# KiCad board SUPAAAA_KEYBOARD.kicad_pcb (continued)
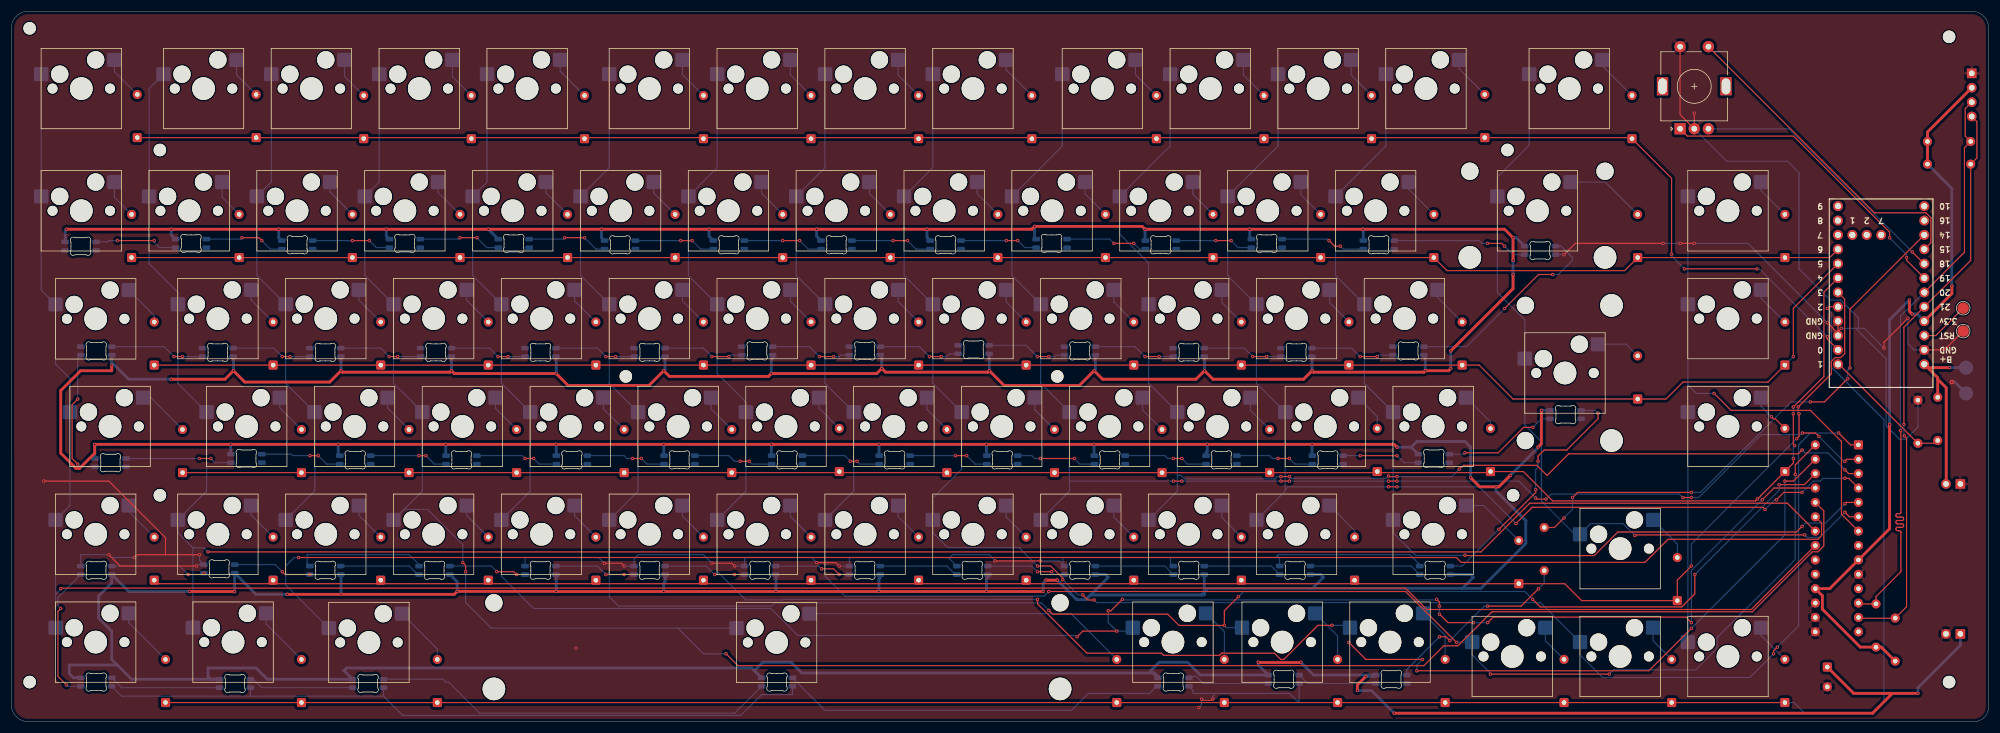
[diagram p0: board, top side]
## Footprints (pads in the part's own frame, mm; a bottom-side part is the same pattern mirrored in y, then rotated) (continued)
  rect 2x2 hole 1: A(0,0)
  round 2 hole 1: B(0,-5) C(0,-2.5) S1(14.5,-5) S2(14.5,0)
  rect 3.2x2 hole 2.8x1.5: MP(7.5,3.1) MP(7.5,-8.1)
Stabilizer_MX_2.00u
  round 3.048 hole 3.048 unplated: (-11.938,6.985) (11.938,6.985)
  round 3.988 hole 3.988 unplated: (-11.938,-8.225) (11.938,-8.225)
Stabilizer_MX_6.25u
  round 3.048 hole 3.048 unplated: (-50,6.985) (50,6.985)
  round 3.988 hole 3.988 unplated: (-50,-8.225) (50,-8.225)
TestPoint_Pad_D2.0mm
  round 2 smd: 1(0,0)
TestPoint_Pad_D2.5mm
  round 2.5 smd: 1(0,0)

## Nets
+3V3: J1.2 R2.1 R3.1 R6.1 R7.1 U2.21 U3.9 U3.18
+5V: C2.1 J3.1 LD1.3 LD2.3 LD3.3 LD4.3 LD5.3 LD6.3 LD7.3 LD8.3 LD9.3 LD10.3 LD11.3 LD12.3 LD13.3 LD14.3 LD15.3 LD16.3 LD17.3 LD18.3 LD19.3 LD20.3 LD21.3 LD22.3 LD23.3 LD24.3 LD25.3 LD26.3 LD27.3 LD28.3 LD29.3 LD30.3 LD31.3 LD32.3 LD33.3 LD34.3 LD35.3 LD36.3 LD37.3 LD38.3 LD39.3 LD40.3 LD41.3 LD42.3 LD43.3 LD44.3 LD45.3 LD46.3 LD47.3 LD48.3 LD49.3 LD50.3 LD51.3 LD52.3 LD53.3 LD54.3 LD55.3 LD56.3 LD57.3 LD58.3 LD59.3 LD60.3 LD61.3
/VBAT: J2.2 R4.1 TP1.1 U2.24
GND: C2.2 J1.1 J2.1 J3.2 LD1.1 LD2.1 LD3.1 LD4.1 LD5.1 LD6.1 LD7.1 LD8.1 LD9.1 LD10.1 LD11.1 LD12.1 LD13.1 LD14.1 LD15.1 LD16.1 LD17.1 LD18.1 LD19.1 LD20.1 LD21.1 LD22.1 LD23.1 LD24.1 LD25.1 LD26.1 LD27.1 LD28.1 LD29.1 LD30.1 LD31.1 LD32.1 LD33.1 LD34.1 LD35.1 LD36.1 LD37.1 LD38.1 LD39.1 LD40.1 LD41.1 LD42.1 LD43.1 LD44.1 LD45.1 LD46.1 LD47.1 LD48.1 LD49.1 LD50.1 LD51.1 LD52.1 LD53.1 LD54.1 LD55.1 LD56.1 LD57.1 LD58.1 LD59.1 LD60.1 LD61.1 R5.2 SW85.C SW85.S2 TP2.1 TP4.1 U2.3 U2.4 U2.23 U3.10 U3.15 U3.16 U3.17
/BT_PIN: R4.2 R5.1 U2.1
/COL0: SW1.1 SW15.1 SW30.1 SW45.1 SW59.1 SW74.1 U3.21
/COL1: SW2.1 SW16.1 SW31.1 SW46.1 SW60.1 SW75.1 U3.22
/COL2: SW3.1 SW17.1 SW32.1 SW47.1 SW61.1 SW76.1 U3.23
/COL3: SW4.1 SW18.1 SW33.1 SW48.1 SW62.1 SW77.1 U3.24
/COL4: SW5.1 SW19.1 SW34.1 SW49.1 SW63.1 SW78.1 U3.25
/COL5: SW6.1 SW20.1 SW35.1 SW50.1 SW64.1 SW79.1 U3.26
/COL6: SW7.1 SW21.1 SW36.1 SW51.1 SW65.1 SW80.1 U3.27
/COL7: SW8.1 SW22.1 SW37.1 SW52.1 SW66.1 SW81.1 U3.28
/COL8: SW9.1 SW23.1 SW38.1 SW53.1 SW67.1 SW82.1 U3.1
/COL9: SW10.1 SW24.1 SW39.1 SW54.1 SW68.1 U3.2
/COL10: SW11.1 SW25.1 SW40.1 SW55.1 SW69.1 U3.3
/COL11: SW12.1 SW26.1 SW41.1 SW56.1 SW70.1 U3.4
/COL12: SW13.1 SW27.1 SW42.1 SW57.1 SW71.1 U3.5
/COL13: SW14.1 SW28.1 SW43.1 SW72.1 U3.6
/COL14: SW29.1 SW44.1 SW58.1 SW73.1 U3.7
/En_A: SW85.A U2.18
/En_B: SW85.B U2.17
/RGB_IN: R1.1 U2.15
/ROW0: D1.1 D2.1 D3.1 D4.1 D5.1 D6.1 D7.1 D8.1 D9.1 D10.1 D11.1 D12.1 D13.1 D14.1 U2.2
/ROW1: D15.1 D16.1 D17.1 D18.1 D19.1 D20.1 D21.1 D22.1 D23.1 D24.1 D25.1 D26.1 D27.1 D28.1 D29.1 U2.9
/ROW2: D30.1 D31.1 D32.1 D33.1 D34.1 D35.1 D36.1 D37.1 D38.1 D39.1 D40.1 D41.1 D42.1 D43.1 D44.1 U2.8
/ROW3: D45.1 D46.1 D47.1 D48.1 D49.1 D50.1 D51.1 D52.1 D53.1 D54.1 D55.1 D56.1 D57.1 D58.1 U2.7
/ROW4: D59.1 D60.1 D61.1 D62.1 D63.1 D64.1 D65.1 D66.1 D67.1 D68.1 D69.1 D70.1 D71.1 D72.1 U2.6
/ROW5: D73.1 D74.1 D75.1 D76.1 D77.1 D78.1 D79.1 D80.1 D81.1 D82.1 U2.5
/RST: TP3.1 U2.22
/SCL: J1.3 R3.2 R7.2 U2.19 U3.12
/SDA: J1.4 R2.2 R6.2 U2.20 U3.13
/SW: SW85.S1 U2.16
Net-(D1-A): D1.2 SW1.2
Net-(D2-A): D2.2 SW2.2
Net-(D3-A): D3.2 SW3.2
Net-(D4-A): D4.2 SW4.2
Net-(D5-A): D5.2 SW5.2
Net-(D6-A): D6.2 SW6.2
Net-(D7-A): D7.2 SW7.2
Net-(D8-A): D8.2 SW8.2
Net-(D9-A): D9.2 SW9.2
Net-(D10-A): D10.2 SW10.2
Net-(D11-A): D11.2 SW11.2
Net-(D12-A): D12.2 SW12.2
Net-(D13-A): D13.2 SW13.2
Net-(D14-A): D14.2 SW14.2
Net-(D15-A): D15.2 SW15.2
Net-(D16-A): D16.2 SW16.2
Net-(D17-A): D17.2 SW17.2
Net-(D18-A): D18.2 SW18.2
Net-(D19-A): D19.2 SW19.2
Net-(D20-A): D20.2 SW20.2
Net-(D21-A): D21.2 SW21.2
Net-(D22-A): D22.2 SW22.2
Net-(D23-A): D23.2 SW23.2
Net-(D24-A): D24.2 SW24.2
Net-(D25-A): D25.2 SW25.2
Net-(D26-A): D26.2 SW26.2
Net-(D27-A): D27.2 SW27.2
Net-(D28-A): D28.2 SW28.2
Net-(D29-A): D29.2 SW29.2
Net-(D30-A): D30.2 SW30.2
Net-(D31-A): D31.2 SW31.2
Net-(D32-A): D32.2 SW32.2
Net-(D33-A): D33.2 SW33.2
Net-(D34-A): D34.2 SW34.2
Net-(D35-A): D35.2 SW35.2
Net-(D36-A): D36.2 SW36.2
Net-(D37-A): D37.2 SW37.2
Net-(D38-A): D38.2 SW38.2
Net-(D39-A): D39.2 SW39.2
Net-(D40-A): D40.2 SW40.2
Net-(D41-A): D41.2 SW41.2
Net-(D42-A): D42.2 SW42.2
Net-(D43-A): D43.2 SW43.2
Net-(D44-A): D44.2 SW44.2
Net-(D45-A): D45.2 SW45.2
Net-(D46-A): D46.2 SW46.2
Net-(D47-A): D47.2 SW47.2
Net-(D48-A): D48.2 SW48.2
Net-(D49-A): D49.2 SW49.2
Net-(D50-A): D50.2 SW50.2
Net-(D51-A): D51.2 SW51.2
Net-(D52-A): D52.2 SW52.2
Net-(D53-A): D53.2 SW53.2
Net-(D54-A): D54.2 SW54.2
Net-(D55-A): D55.2 SW55.2
Net-(D56-A): D56.2 SW56.2
Net-(D57-A): D57.2 SW57.2
Net-(D58-A): D58.2 SW58.2
Net-(D59-A): D59.2 SW59.2
Net-(D60-A): D60.2 SW60.2
Net-(D61-A): D61.2 SW61.2
Net-(D62-A): D62.2 SW62.2
Net-(D63-A): D63.2 SW63.2
Net-(D64-A): D64.2 SW64.2
Net-(D65-A): D65.2 SW65.2
Net-(D66-A): D66.2 SW66.2
Net-(D67-A): D67.2 SW67.2
Net-(D68-A): D68.2 SW68.2
Net-(D69-A): D69.2 SW69.2
Net-(D70-A): D70.2 SW70.2
Net-(D71-A): D71.2 SW71.2
Net-(D72-A): D72.2 SW72.2
Net-(D73-A): D73.2 SW73.2
Net-(D74-A): D74.2 SW74.2
Net-(D75-A): D75.2 SW75.2
Net-(D76-A): D76.2 SW76.2
Net-(D77-A): D77.2 SW77.2
Net-(D78-A): D78.2 SW78.2
Net-(D79-A): D79.2 SW79.2
Net-(D80-A): D80.2 SW80.2
Net-(D81-A): D81.2 SW81.2
Net-(D82-A): D82.2 SW82.2
Net-(LD1-DIN): LD1.2 R1.2
Net-(LD1-DOUT): LD1.4 LD2.2
Net-(LD2-DOUT): LD2.4 LD3.2
Net-(LD3-DOUT): LD3.4 LD4.2
Net-(LD4-DOUT): LD4.4 LD5.2
Net-(LD5-DOUT): LD5.4 LD6.2
Net-(LD6-DOUT): LD6.4 LD7.2
Net-(LD7-DOUT): LD7.4 LD8.2
Net-(LD8-DOUT): LD8.4 LD9.2
Net-(LD10-DIN): LD9.4 LD10.2
Net-(LD10-DOUT): LD10.4 LD11.2
Net-(LD11-DOUT): LD11.4 LD12.2
Net-(LD12-DOUT): LD12.4 LD13.2
Net-(LD13-DOUT): LD13.4 LD14.2
Net-(LD14-DOUT): LD14.4 LD15.2
Net-(LD15-DOUT): LD15.4 LD16.2
Net-(LD16-DOUT): LD16.4 LD17.2
Net-(LD17-DOUT): LD17.4 LD18.2
Net-(LD18-DOUT): LD18.4 LD19.2
Net-(LD19-DOUT): LD19.4 LD20.2
Net-(LD20-DOUT): LD20.4 LD21.2
Net-(LD21-DOUT): LD21.4 LD22.2
Net-(LD22-DOUT): LD22.4 LD23.2
Net-(LD23-DOUT): LD23.4 LD24.2
Net-(LD24-DOUT): LD24.4 LD25.2
Net-(LD25-DOUT): LD25.4 LD26.2
Net-(LD26-DOUT): LD26.4 LD27.2
Net-(LD27-DOUT): LD27.4 LD28.2
Net-(LD28-DOUT): LD28.4 LD29.2
Net-(LD29-DOUT): LD29.4 LD30.2
Net-(LD30-DOUT): LD30.4 LD31.2
Net-(LD31-DOUT): LD31.4 LD32.2
Net-(LD32-DOUT): LD32.4 LD33.2
Net-(LD33-DOUT): LD33.4 LD34.2
Net-(LD34-DOUT): LD34.4 LD35.2
Net-(LD35-DOUT): LD35.4 LD36.2
Net-(LD36-DOUT): LD36.4 LD37.2
Net-(LD37-DOUT): LD37.4 LD38.2
Net-(LD38-DOUT): LD38.4 LD39.2
Net-(LD39-DOUT): LD39.4 LD40.2
Net-(LD40-DOUT): LD40.4 LD41.2
Net-(LD41-DOUT): LD41.4 LD42.2
Net-(LD42-DOUT): LD42.4 LD43.2
Net-(LD43-DOUT): LD43.4 LD44.2
Net-(LD44-DOUT): LD44.4 LD45.2
Net-(LD45-DOUT): LD45.4 LD46.2
Net-(LD46-DOUT): LD46.4 LD47.2
Net-(LD47-DOUT): LD47.4 LD48.2
Net-(LD48-DOUT): LD48.4 LD49.2
Net-(LD49-DOUT): LD49.4 LD50.2
Net-(LD50-DOUT): LD50.4 LD51.2
Net-(LD51-DOUT): LD51.4 LD52.2
Net-(LD52-DOUT): LD52.4 LD53.2
Net-(LD53-DOUT): LD53.4 LD54.2
Net-(LD54-DOUT): LD54.4 LD55.2
Net-(LD55-DOUT): LD55.4 LD56.2
Net-(LD56-DOUT): LD56.4 LD57.2
Net-(LD57-DOUT): LD57.4 LD58.2
Net-(LD58-DOUT): LD58.4 LD59.2
Net-(LD59-DOUT): LD59.4 LD60.2
Net-(LD60-DOUT): LD60.4 LD61.2

Pads without a net: LD61 4; SW85 MP; U2 10 11 12 13 14 25 26 27; U3 8 11 14 19 20

## Via types
v1: diameter 0.6, hole 0.3, Top to Bottom, 308 vias
v2: diameter 0.8, hole 0.3, Top to Bottom, 1 via

## Routing (per net, layer and track width the routed paths; a pad name or vN(x,y) marks a point on that pad's centre or on a via; arc(x,y) is an arc through that point)
+3V3: length 133.8
  Top w0.5: R6.1 330.24,13.18 R7.1 326.55,13.18 319.86,19.87 319.86,22.25 U3.18 321.15,23.5 U3.9 331.73,34.08 v1(331.73,52.5) ; J1.2 338.43,104.19 R3.1 R2.1 ; v1(342.73,77) 342.73,75.63 U2.21 ; v1(335.72,72.01) 335.23,72.5 v1(335.23,74.5)
  Bottom w0.5: v1(331.73,52.5) 331.73,71 v1(335.23,74.5) ; v1(335.72,72.01) 336.61,72.01 U2.21 ; v1(342.73,77) 342.73,94.2 R2.1
+5V: length 1668.7
  Top w0.5: v1(31.47,23) 39.4,23 v1(39.44,22.96) ; v1(182.73,25) 184.73,25 v1(184.73,25) ; v1(220.23,10.5) 220.28,10.45 227.68,10.45 v1(227.73,10.5) ; 134.73,49 v1(115.23,49) v1(96.23,49) v1(76.73,49) v1(57.73,49) v1(38.73,49) v1(14.73,49) 14.73,47.44 12.04,44.75 11.42,44.75 8.73,47.44 8.73,58.5 12.23,62 17.73,62 v1(17.73,63) ; 134.73,49 v1(134.23,49) ; 134.73,49 v1(153.23,49) v1(172.23,49) v1(191.23,49) v1(211.23,49) v1(229.73,49) 244.23,49 v1(244.73,48.5) ; v1(48.73,22.5) v1(58.23,22.5) 78.23,22.5 v1(78.73,23) 78.76,23.02 96.21,23.02 v1(96.23,23) v1(115.23,23) v1(135.05,23) v1(153.23,23) v1(172.23,23) v1(182.23,23) ; v1(265.23,79) 265.23,76.5 v1(254.23,65.5) ; v1(237.73,5.5) 237.73,6.5 v1(239.23,8) ; C2.1 325.38,5 332.23,5 ; v1(244.23,1.5) 328.73,1.5 332.23,5 ; v1(265.23,81.5) v1(265.23,85.5) 263.73,87 v1(238.73,87) v1(218.73,87) v1(200.23,87) 199.73,87.5 v1(180.73,87.5) 180.23,87 v1(161.73,87) v1(142.23,87) v1(123.23,87) v1(104.23,87) v1(84.23,87) v1(66.23,87) v1(47.23,87) v1(28.23,87) v1(9.73,87) ; 332.23,5 v1(336.73,5) ; v1(269.64,48.5) 270.23,49.09 v1(270.23,55) ; v1(257.73,43.1) 259.33,41.5 v1(262.23,41.5) 262.73,41.5 v1(264.73,43.5) ; v1(254.23,62.4) 253.83,62 v1(249.73,62) 249.48,61.75 229.98,61.75 v1(229.73,62) 228.23,60.5 212.23,60.5 v1(210.73,62) 209.23,60.5 192.73,60.5 v1(191.23,62) 188.63,59.4 175.33,59.4 v1(172.73,62) 172.48,61.75 154.38,61.75 v1(153.73,62.4) 152.83,61.5 v1(134.23,61.5) 133.73,61 116.23,61 v1(115.23,62) 112.63,59.4 98.33,59.4 v1(96.23,61.5) 78.23,61.5 v1(77.73,62) 77.48,61.75 58.48,61.75 v1(58.23,62) 56.23,60 41.23,60 v1(39.23,62) 37.73,60.5 v1(28.23,60.5)
  Bottom w0.2: LD24.3 211.01,47.53 211.16,47.69 ; 210.68,22.45 210.73,22.4 ; 238.78,86.95 v1(238.73,87)
  Bottom w0.5: LD25.3 191.23,47.05 v1(191.23,49) ; LD28.3 134.23,47.05 v1(134.23,49) ; 229.23,23.55 229.78,23.55 231.73,25.5 231.23,26 LD19.3 ; 229.23,23.55 256.28,23.55 ; 229.23,23.55 211.38,23.55 210.23,22.4 ; v1(200.23,87) 200.23,85.05 LD51.3 ; v1(210.73,62) 210.73,64.45 LD45.3 ; 210.23,22.4 210.73,22.4 ; 210.23,22.4 190.63,22.4 190.23,22 ; LD48.3 265.78,85.5 v1(265.23,85.5) ; LD37.3 58.23,64.45 v1(58.23,62) ; 211.23,47.81 211.01,47.59 LD24.3 ; 211.23,47.81 211.16,47.69 ; 211.23,47.81 v1(211.23,49) ; LD44.3 191.46,62.22 v1(191.23,62) ; v1(220.23,10.5) 220.23,10.03 LD2.3 209.98,8.25 207.73,10.5 202.73,10.5 201.23,9 202.23,8 202.51,8 201.9,8.61 139.62,8.61 137.73,10.5 132.73,10.5 131.23,9 132.48,7.75 LD4.3 130.76,9.5 59.23,9.5 58.73,9 58.78,9 LD5.3 45.23,7.5 43.23,9.5 34.73,9.5 34.73,8 35.23,7.5 LD6.3 21.23,7.5 18.73,10 ; LD47.3 249.73,64.47 v1(249.73,62) ; 190.23,22 189.8,21.56 188.17,21.56 v1(184.73,25) ; 190.23,22 193.73,25.5 193.23,26 LD17.3 ; LD10.3 58.23,25.95 v1(58.23,22.5) ; LD29.3 115.23,47.05 v1(115.23,49) ; v1(28.23,60.5) 20.73,60.5 17.73,63.5 ; 247.23,48.5 v1(244.73,48.5) ; 247.23,48.5 248.23,49.5 256.73,49.5 257.73,48.5 v1(257.73,43.1) ; 247.23,48.5 248.48,47.25 LD22.3 ; v1(153.73,62.4) 153.73,64.47 LD42.3 ; v1(17.73,63) 17.73,63.5 ; 17.73,63.5 LD35.3 ; LD39.3 96.23,64.45 v1(96.23,61.5) ; v1(161.73,87) 161.73,85.55 LD53.3 ; v1(39.44,22.96) 39.44,26.23 LD9.3 43.21,22.5 v1(48.73,22.5) ; LD49.3 238.78,86.95 ; v1(254.23,62.4) v1(254.23,65.5) ; LD20.3 257.73,26 258.23,25.5 256.28,23.55 ; LD16.3 172.46,25.47 172.3,25.31 172.23,25.19 v1(172.23,23) ; v1(153.23,23) 153.23,25.19 153.3,25.31 153.46,25.47 LD15.3 ; v1(227.73,10.5) 229.98,8.25 LD1.3 240.76,8 v1(239.23,8) ; LD31.3 76.73,47.05 v1(76.73,49) ; LD33.3 38.73,47.3 v1(38.73,49) ; v1(57.73,49) 57.73,47.28 LD32.3 ; 256.28,23.55 259.56,23.55 267.49,31.48 267.49,35.49 262.23,40.74 v1(262.23,41.5) ; v1(269.64,48.5) 269.64,48.41 v1(264.73,43.5) ; LD13.3 115.46,25.5 115.48,25.47 115.48,24.75 115.23,24.5 v1(115.23,23) ; LD27.3 153.23,47.05 v1(153.23,49) ; v1(142.23,87) 142.23,85.78 LD54.3 ; v1(96.23,49) 96.23,47.05 LD30.3 ; v1(229.73,49) 229.73,47.05 LD23.3 ; v1(182.73,25) 182.23,24.5 v1(182.23,23) ; v1(31.47,23) 20.73,23 LD8.3 17.73,24.5 15.41,22.18 15.41,18.3 17.73,15.98 17.73,11 18.73,10 ; v1(104.23,87) 104.23,85.55 LD56.3 ; v1(96.23,23) 96.23,25.95 LD12.3 ; v1(218.73,87) 218.73,85.53 LD50.3 ; LD34.3 14.73,46.55 v1(14.73,49) ; v1(9.73,87) 9.51,86.78 LD61.3 ; LD7.3 10.98,7.75 10.23,8.5 10.23,10 18.73,10 ; v1(135.05,23) 135.05,25.91 LD14.3 ; LD18.3 210.68,22.45 ; LD46.3 229.73,64.45 v1(229.73,62) ; v1(270.23,55) LD21.3 ; LD26.3 172.23,47.05 v1(172.23,49) ; v1(78.73,23) 78.73,24.72 LD11.3 ; v1(77.73,62) LD38.3 ; J3.1 344.23,13.5 336.73,6 v1(336.73,5) ; LD36.3 39.23,64.45 v1(39.23,62) ; LD41.3 134.46,64.22 134.3,64.06 134.23,63.94 v1(134.23,61.5) ; v1(180.73,87.5) 180.73,85.53 LD52.3 ; v1(47.23,87) 47.23,85.55 LD59.3 ; LD60.3 28.23,86.03 v1(28.23,87) ; v1(115.23,62) 115.46,62.22 LD40.3 ; v1(84.23,87) 84.26,87 LD57.3 ; LD58.3 66.23,85.8 v1(66.23,87) ; LD55.3 123.23,85.78 v1(123.23,87) ; LD43.3 172.73,64.95 v1(172.73,62) ; v1(244.23,1.5) 240.23,5.5 v1(237.73,5.5) ; v1(265.23,79) v1(265.23,81.5)
/VBAT: length 34.5
  Top w0.2: 338.45,62.55 U2.24
  Top w0.5: R4.1 340.23,60.5 ; 340.23,60.5 341.73,59 341.73,41.99 ; 340.23,60.5 340.23,60.77 U2.24 ; v1(342.28,62.55) 338.45,62.55
  Bottom w0.2: TP1.1 345.24,63.49
  Bottom w0.5: TP1.1 v1(342.28,62.55)
GND: length 630.1
  Top w0.2: v1(142.23,28.1) 145.63,28.1 v1(146.23,27.5) ; v1(330.73,66) 330.73,67.02 v1(334.97,71.26) ; TP4.1 341.41,65.68 U2.23 ; SW85.S2 294.73,107.25 SW85.C v1(297.23,107.5) ; v1(274.23,82.5) 276.23,84.5 v1(291.73,84.5) ; U2.3 322.62,68.61 v1(320.73,70.5) ; U2.3 322.62,68.92 v1(323.19,69.5) ; U2.3 U2.4 ; v1(297.23,84.5) v1(294.73,84.5) ; v1(210.23,3.98) 210.43,3.78 212.01,3.78 v1(212.23,4) ; v1(108.23,27.5) 107.73,28 v1(104.73,28) ; v1(17.23,29.5) 19.23,27.5 v1(32.73,27.5) ; v1(33.23,29.5) 27.23,29.5 ; 27.23,29.5 27.23,32.5 17.23,42.5 v1(5.73,42.5) ; 27.23,29.5 22.23,29.5 v1(21.73,29) ; v1(127.73,27.5) 127.23,28 v1(123.73,28) ; v1(181.73,28.4) v1(173.73,28.4)
  Bottom w0.2: 165.62,28.89 166.23,29.5 172.73,29.5 173.73,28.5 v1(173.73,28.4) ; 165.62,28.89 LD16.1 ; 165.62,28.89 165.51,29 148.23,29 148.01,28.78 LD15.1 v1(146.23,27.5) ; v1(297.23,84.5) 306.73,84.5 v1(320.73,70.5) ; 42.23,4.5 LD6.1 ; 42.23,4.5 65.73,4.5 ; 42.23,4.5 19.48,4.5 LD7.1 ; 65.73,4.5 LD5.1 ; 65.73,4.5 69.13,1.1 128.83,1.1 132.51,4.78 137.96,4.78 ; v1(32.73,27.5) 32.98,27.75 LD9.1 33.23,28.53 v1(33.23,29.5) ; 326.23,69.5 327.23,69.5 v1(330.73,66) ; 326.23,69.5 326.23,71.35 323.11,74.48 321.25,74.48 315.73,80 315.73,97 313.73,99 302.98,99 SW85.C ; 326.23,69.5 325.73,69.5 ; LD19.1 224.01,28.72 223.73,29 223.73,29.5 ; 212.73,5 225.73,5 227.23,3.5 227.46,3.72 LD2.1 ; 212.73,5 208.73,5 208.73,5.47 LD3.1 ; 212.73,5 212.23,4.5 v1(212.23,4) ; 223.73,29.5 223.23,29 204.73,29 ; 223.73,29.5 246.99,29.5 248.73,27.76 LD20.1 ; v1(210.23,3.98) 210.23,3 v1(209.73,2.5) ; v1(294.73,84.5) v1(291.73,84.5) ; v1(142.23,28.1) 141.33,29 129.73,29 129.51,28.78 LD14.1 v1(127.73,27.5) ; LD12.1 90.73,29 103.73,29 v1(104.73,28) ; v1(274.23,82.5) LD48.1 ; v1(108.23,27.5) LD13.1 110.01,28.78 110.73,29.5 122.23,29.5 v1(123.73,28) ; 325.73,69.5 331.13,64.1 331.13,52.25 333.48,49.9 334.58,49.9 336.73,52.05 R5.2 ; 325.73,69.5 v1(323.19,69.5) ; 204.73,29 204.73,28 LD18.1 ; 204.73,29 185.73,29 185.73,27.78 LD17.1 185.11,28.4 v1(181.73,28.4) ; 137.96,4.78 137.98,4.75 ; 137.96,4.78 LD4.1 ; v1(21.73,29) 17.73,29 v1(17.23,29.5) 12.23,29.5 12.28,29.45 LD8.1 ; LD10.1 52.23,28 52.23,29.5 70.27,29.5 72.01,27.76 LD11.1 ; v1(334.97,71.26) 334.97,66.76 336.05,65.68 U2.23
  Bottom w0.5: TP2.1 343.24,60 v2(342.73,60)
  vias: v1(99.73,13)
/BT_PIN: length 23.6
  Top w0.2: R4.2 339.73,49.19 R5.1 322.78,63.14 U2.1
/COL0: length 418.5
  Top w0.2: v1(8.73,23.5) 8.83,23.6 246.2,23.6 249.99,19.81 307.31,19.81 U3.21
  Bottom w0.2: 7.81,22.5 8.73,23.42 v1(8.73,23.5) ; 7.81,22.5 SW74.1 ; 7.81,22.5 SW59.1 10.35,38.19 SW45.1 10.35,60.63 7.81,63.17 SW30.1 5.27,76.25 SW15.1 SW1.1
/COL1: length 398.7
  Top w0.2: v1(34.73,30) 259.58,30 268.18,38.6 313.67,38.6 U3.22
  Bottom w0.2: v1(34.73,30) 34.02,30.71 32.07,30.71 ; 32.07,30.71 SW75.1 ; 32.07,30.71 29.4,33.38 SW60.1 34.48,40.73 SW46.1 29.4,59.78 SW31.1 29.4,75.83 24.32,80.91 SW16.1 24.32,111.85 SW2.1
/COL2: length 386.4
  Top w0.2: v1(50.73,29) 255.23,29 256.08,28.15 288.53,28.15 292.6,32.22 319.07,32.22 319.71,32.86 319.71,35.1 U3.23
  Bottom w0.2: 48.45,27.5 49.95,29 v1(50.73,29) ; 48.45,27.5 48.45,24.16 SW76.1 ; 48.45,27.5 SW61.1 53.6,40.8 53.6,54.63 SW47.1 48.45,59.78 SW32.1 43.37,78.83 SW17.1 45.91,95.34 SW3.1
/COL3: length 384
  Top w0.2: v1(80.23,26.5) 80.23,27.6 v1(79.73,28.1) ; U3.24 320.11,37.24 320.11,31.06 319.07,30.02 318.08,30.02 307.47,19.41 261.5,19.41 255.49,13.4 252.98,13.4 249.48,9.9 128.33,9.9 v1(126.23,12)
  Bottom w0.2: v1(126.23,12) 122.27,12 117.73,16.54 ; 117.73,16.54 84.73,16.54 80.23,21.04 v1(80.23,26.5) ; 117.73,16.54 SW77.1 ; v1(79.73,28.1) 79.73,31.29 73.5,37.53 69.38,37.53 SW62.1 72.58,40.73 SW48.1 67.5,59.78 SW33.1 62.42,78.83 SW18.1 64.96,95.34 SW4.1
/COL4: length 361.7
  Top w0.2: v1(188.24,15) 189.24,16 v1(195.24,16) ; v1(260.73,17.5) 261.71,18.47 295.76,18.47 v1(296.73,17.5) ; v1(252.23,19) 253.73,17.5 v1(258.23,17.5) ; v1(196.23,21.62) 194.22,19.6 v1(193.73,19.6) ; v1(309.23,39.2) 311.31,41.28 U3.25 ; v1(251.73,21.62) 252.23,21.12 v1(252.23,20.41)
  Bottom w0.2: SW5.1 84.01,95.34 SW19.1 81.47,78.83 SW34.1 86.55,59.78 SW49.1 91.63,40.73 SW63.1 86.55,25.69 92.24,20 134.13,20 138.9,15.22 188.01,15.22 v1(188.24,15) ; v1(193.73,19.6) 193.73,17.51 v1(195.24,16) 197.47,16 SW78.1 ; v1(196.23,21.62) 196.35,21.5 251.62,21.5 v1(251.73,21.62) ; v1(296.73,17.5) 296.73,26.7 v1(309.23,39.2) ; v1(260.73,17.5) v1(258.23,17.5) ; v1(252.23,19) v1(252.23,20.41)
/COL5: length 337.1
  Top w0.2: v1(312.23,41.88) 316.67,41.88 U3.26 ; v1(183.24,19.68) 183.92,19 204.24,19 206.24,17 v1(214.24,17) 214.24,19.61 v1(216.73,22.1) ; v1(268.69,21.62) 270.03,20.28 295.02,20.28 297.33,22.59 v1(297.33,26)
  Bottom w0.2: v1(183.24,19.68) 181.92,21 134.84,21 134.24,20.4 107.24,20.4 105.6,22.03 SW64.1 110.68,40.73 SW50.1 105.6,59.78 SW35.1 100.52,78.83 SW20.1 105.6,97.88 SW6.1 ; v1(268.69,21.62) 267.31,23 217.63,23 v1(216.73,22.1) ; v1(214.24,17) 214.64,16.6 SW79.1 ; v1(297.33,26) 312.23,40.9 v1(312.23,41.88)
/COL6: length 328.7
  Top w0.2: v1(233.26,17.02) 230.76,17.02 224.74,11 224.18,11 223.08,12.1 213.78,12.1 213.39,11.71 203.53,11.71 203.14,12.1 189.97,12.1 181.24,20.83 v1(181.24,21.6) ; v1(313.23,42.5) 314.75,42.5 U3.27 ; v1(296.73,16.5) 289.23,9 v1(248.23,9) ; v1(249.23,11) 239.23,11 v1(236.23,14)
  Bottom w0.2: v1(313.23,42.5) 313.23,33 v1(296.73,16.5) ; v1(233.26,17.02) 235.99,17.02 SW80.1 236.41,14.18 v1(236.23,14) ; SW7.1 124.65,97.88 SW21.1 119.57,78.83 SW36.1 124.65,61.53 129.73,56.45 SW51.1 129.73,40.73 SW65.1 124.65,26.58 129.73,21.5 136.23,21.5 136.33,21.6 v1(181.24,21.6) ; v1(249.23,11) 248.23,10 v1(248.23,9)
/COL7: length 309
  Top w0.2: v1(255.24,14) 246.24,23 v1(183.24,23) ; v1(282.23,8.4) v1(261.23,8.4) ; U3.28 315.07,45.36 v1(315.07,43.66)
  Bottom w0.2: v1(315.07,43.66) 315.07,28.65 301.25,14.84 301.25,12.93 297.49,9.17 283,9.17 v1(282.23,8.4) ; v1(261.23,8.4) 261.23,8.57 258,11.79 SW81.1 255.3,14.06 v1(255.24,14) ; v1(183.24,23) 182.44,22.2 147.24,22.2 143.7,25.74 SW66.1 148.78,40.73 SW52.1 143.7,59.78 SW37.1 138.62,78.83 SW22.1 143.7,97.88 SW8.1
/COL8: length 302.9
  Top w0.2: v1(191.23,21.5) 190.13,21.5 v1(189.23,22.4) ; v1(185.71,25.09) 185.71,25.37 183.58,27.5 v1(181.23,27.5) ; v1(311.91,13.18) 311.23,12.5 v1(311.23,12) ; U3.1 324.83,48.9 v1(322.73,51)
  Bottom w0.2: v1(185.71,25.09) 188.4,22.4 v1(189.23,22.4) ; v1(191.23,21.5) 191.72,21.01 270.1,21.01 SW82.1 277.05,11.79 281.05,7.8 307.03,7.8 v1(311.23,12) ; SW9.1 162.75,97.88 SW23.1 157.67,78.83 SW38.1 162.75,59.78 SW53.1 167.83,44.59 162.75,39.51 SW67.1 162.75,33.38 165.38,30.76 178.13,30.76 178.13,30.6 v1(181.23,27.5) ; v1(322.73,51) 317.73,51 315.67,48.94 315.67,16.94 v1(311.91,13.18)
/COL9: length 236.9
  Top w0.2: v1(316.33,51) 318.63,51 v1(319.23,50.4) ; v1(269.23,39.5) 269.4,39.33 v1(271.06,39.33) ; v1(225.73,42.5) v1(224.23,42.5) ; v1(323.83,46) 324.19,46.36 U3.2 ; v1(244.73,42.5) v1(243.23,42.5) ; v1(296.73,39.6) v1(295.23,39.6) ; v1(206.73,42.5) v1(205.23,42.5)
  Bottom w0.2: 186.88,42.5 SW54.1 181.8,59.78 SW39.1 176.72,78.83 SW24.1 185.61,101.69 SW10.1 ; 186.88,42.5 v1(205.23,42.5) ; 186.88,42.5 186.88,40.73 SW68.1 ; v1(269.23,39.5) 266.23,42.5 v1(244.73,42.5) ; v1(271.06,39.33) 271.93,40.2 294.63,40.2 v1(295.23,39.6) ; v1(296.73,39.6) 298.01,39.6 309.12,50.71 316.04,50.71 v1(316.33,51) ; v1(224.23,42.5) v1(206.73,42.5) ; v1(319.23,50.4) 323.63,46 v1(323.83,46) ; v1(243.23,42.5) v1(225.73,42.5)
/COL10: length 214.9
  Top w0.2: v1(243.23,43.4) 243.33,43.3 v1(244.73,43.3) ; U3.3 324.51,43.82 v1(323.83,44.5) ; v1(255.73,44.6) 256.13,45 256.23,45 256.52,45.29 269.44,45.29 271.23,43.5 275.05,47.32 315.59,47.32 v1(316.27,48) ; v1(225.73,43.3) v1(224.23,43.3)
  Bottom w0.2: v1(243.23,43.4) 242.83,43 226.08,43 225.78,43.3 v1(225.73,43.3) ; 205.93,43.5 SW55.1 200.85,59.78 SW40.1 200.85,81.04 195.77,86.12 SW25.1 204.66,101.69 SW11.1 ; 205.93,43.5 205.93,40.73 SW69.1 ; 205.93,43.5 206.58,43.5 207.18,42.9 223.13,42.9 223.53,43.3 v1(224.23,43.3) ; v1(316.27,48) 316.77,47.5 320.83,47.5 v1(323.83,44.5) ; v1(255.73,44.6) 254.43,43.3 v1(244.73,43.3)
/COL11: length 197.2
  Top w0.2: v1(311.73,39.2) 313.03,40.5 v1(316.27,40.5) ; v1(323.83,43) 324.51,43 U3.4 ; v1(309.73,37.5) 309.35,37.88 268.61,37.88 v1(265.73,35) ; v1(244.73,41.5) v1(243.23,41.5)
  Bottom w0.2: 224.98,41 225.48,41.5 v1(243.23,41.5) ; 224.98,41 224.98,40.73 SW70.1 ; 224.98,41 SW56.1 219.9,59.78 SW41.1 214.82,78.83 SW26.1 223.71,101.69 SW12.1 ; v1(323.83,43) 319.99,43 319.49,42.5 318.27,42.5 v1(316.27,40.5) ; v1(311.73,39.2) 311.43,39.2 v1(309.73,37.5) ; v1(265.73,35) 259.23,41.5 v1(244.73,41.5)
/COL12: length 176.7
  Top w0.2: v1(316.27,34.5) 315.27,33.5 283.72,33.5 279.57,29.34 256.79,29.34 v1(256.73,29.4) ; v1(323.83,38.5) 324.07,38.74 U3.5
  Bottom w0.2: v1(323.83,38.5) 320.43,35.1 316.87,35.1 v1(316.27,34.5) ; SW13.1 242.76,101.69 SW27.1 233.87,78.83 SW42.1 238.95,59.78 SW57.1 SW71.1 244.03,33.38 248.02,29.4 v1(256.73,29.4)
/COL13: length 143.4
  Top w0.2: v1(323.83,37) 324.63,36.2 U3.6 ; v1(316.73,33) 286.83,33 v1(286.73,32.9)
  Bottom w0.2: SW14.1 268.07,101.83 262.46,96.22 SW28.1 262.46,75.84 267.31,70.99 SW43.1 267.31,52.41 270.24,49.49 270.24,39 276.13,33.11 SW72.1 278.93,34.99 284.65,34.99 v1(286.73,32.9) ; v1(323.83,37) 319.39,32.56 317.17,32.56 v1(316.73,33)
/COL14: length 127.1
  Top w0.2: U3.7 323.23,36.66 323.23,49.5 317.73,55 303.73,55 v1(300.73,58)
  Bottom w0.2: 296.1,59.5 297.6,58 v1(300.73,58) ; 296.1,59.5 SW73.1 ; 296.1,59.5 SW29.1
/En_A: length 55.2
  Top w0.2: v1(331.73,85.5) 331.73,86.5 314.78,103.45 296.03,103.45 SW85.A ; v1(334.73,82) 334.73,81.51 U2.18
  Bottom w0.2: v1(334.73,82) 334.73,82.5 v1(331.73,85.5)
/En_B: length 48
  Top w0.2: U2.17 337.81,80.92 v1(335.73,83)
  Bottom w0.2: SW85.B 313.98,104.75 v1(335.73,83)
/RGB_IN: length 96.7
  Top w0.2: v1(296.73,40.5) 276.63,40.5 v1(275.73,39.6) ; v1(324.34,60.61) 320.23,56.5 v1(317.73,56.5) ; R1.1 272.54,34.31 v1(274.23,36) ; v1(324.73,62.5) 324.73,72.87 U2.15
  Bottom w0.2: v1(275.73,39.6) 275.73,37.5 v1(274.23,36) ; v1(324.34,60.61) 324.34,62.11 v1(324.73,62.5) ; v1(296.73,40.5) 298.34,40.5 314.34,56.5 v1(317.73,56.5)
/ROW0: length 324.2
  Top w0.2: v1(320.73,68) 320.73,67.57 U2.2 ; v1(293.23,82.6) 293.23,96.01 D14.1 286.05,103.19 D1.1 ; v1(295.5,80) v1(308.3,80)
  Bottom w0.2: v1(293.23,82.6) 293.23,82.27 v1(295.5,80) ; v1(320.73,68) 308.73,80 v1(308.3,80)
/ROW1: length 303.9
  Top w0.2: D15.1 D27.1 253.55,79.69 284.93,79.69 D28.1 D29.1 321.16,82 U2.9
/ROW2: length 314.8
  Top w0.2: D30.1 D36.1 D42.1 259.24,63 265.24,57 D43.1 292.24,57 295.24,60 310.24,60 D44.1 ; v1(314.73,64.49) 314.73,73.03 U2.8
  Bottom w0.2: v1(314.73,64.49) D44.1
/ROW3: length 333.5
  Top w0.2: v1(314.95,48.78) 314.73,49 v1(314.73,54.4) ; D45.1 261.05,44 D57.1 267.05,44.19 272.24,39 308.05,39 D58.1 314.73,45.68 v1(314.73,46.5) ; v1(314.73,55.6) 320.13,61 320.13,75.89 U2.7 321.98,78.38
  Bottom w0.2: 261.05,44 D57.1 ; v1(314.95,48.78) 314.73,48.55 v1(314.73,46.5) ; D58.1 309.05,40 309.05,39.87 308.52,39.34 v1(308.39,39.34) ; v1(314.73,55.6) v1(314.73,54.4)
/ROW4: length 339.3
  Top w0.2: D59.1 25.86,24.38 D71.1 274.34,24.38 277.34,21.38 D72.1 294.24,25.01 296.71,27.48 v1(296.71,27.52) ; v1(315.33,50) 315.73,50.4 v1(315.73,54.4) ; U2.6 323.79,74.66 323.79,65.01 323.1,64.32 322.13,64.32 321.44,63.63 321.44,61.46 v1(315.58,55.6)
  Bottom w0.2: 265.62,25 D71.1 ; v1(315.58,55.6) 315.58,54.55 v1(315.73,54.4) ; v1(315.33,50) 296.71,31.38 v1(296.71,27.52)
/ROW5: length 380.8
  Top w0.2: v1(320.73,73) 321.03,73.3 U2.5 ; D73.1 D74.1
  Bottom w0.2: D73.1 314.85,3.38 316.73,1.5 328.73,1.5 330.73,3.5 330.73,53.36 321.44,62.65 321.44,72.29 v1(320.73,73)
/RST: length 8.9
  Top w0.2: U2.22 339.9,68.22 TP3.1
/SCL: length 105.4
  Top w0.2: J1.3 345.09,108.31 345.09,103.46 R3.2 344.95,101.4 344.95,82.93 U2.19 ; 326.38,20.81 329.28,20.81 329.33,20.76 ; R7.2 329.33,22.1 333.73,26.5 333.73,33.5 arc(333.66,33.67) 333.49,33.74 333.1,33.74 arc(332.93,33.81) 332.86,33.98 332.86,34.1 arc(332.93,34.27) 333.1,34.34 333.97,34.34 arc(334.13,34.41) 334.2,34.58 334.2,34.71 arc(334.13,34.87) 333.97,34.94 333.1,34.94 arc(332.93,35.01) 332.86,35.18 332.86,35.3 arc(332.93,35.47) 333.1,35.54 333.97,35.54 arc(334.13,35.61) 334.2,35.78 334.2,35.91 arc(334.13,36.07) 333.97,36.14 333.1,36.14 arc(332.93,36.21) 332.86,36.38 332.86,36.5 arc(332.93,36.67) 333.1,36.74 333.49,36.74 arc(333.66,36.81) 333.73,36.98 333.73,51.34 v1(333.65,51.42)
  Bottom w0.2: U2.19 333.65,71.63 v1(333.65,51.42)
/SDA: length 101.7
  Top w0.2: J1.4 347.15,106.01 347.15,99.6 R2.2 346.05,81.49 U2.20 334.25,69.69 v1(334.25,52.52) ; 326.38,18.27 332.69,18.27 R6.2 334.73,20.31 334.73,50.1 v1(334.33,50.5)
  Bottom w0.2: v1(334.33,50.5) 334.25,50.58 v1(334.25,52.52)
/SW: length 57.9
  Top w0.2: U2.16 339.03,84.64 339.03,89.03 338.16,89.9 329.08,89.9 SW85.S1
Net-(D1-A): length 7.8
  Bottom w0.2: SW1.2 18.2,114.85 D1.2
Net-(D2-A): length 7.5
  Bottom w0.2: D2.2 39.79,114.26 SW2.2
Net-(D3-A): length 7.7
  Bottom w0.2: SW3.2 58.84,114.02 D3.2
Net-(D4-A): length 7.7
  Bottom w0.2: SW4.2 77.89,113.97 D4.2
Net-(D5-A): length 8.1
  Bottom w0.2: SW5.2 96.94,114.92 D5.2
Net-(D6-A): length 7.8
  Bottom w0.2: SW6.2 118.53,114.33 D6.2
Net-(D7-A): length 7.8
  Bottom w0.2: D7.2 137.58,114.28 SW7.2
Net-(D8-A): length 7.8
  Bottom w0.2: SW8.2 156.63,114.23 D8.2
Net-(D9-A): length 8.2
  Bottom w0.2: D9.2 175.68,115.18 SW9.2
Net-(D10-A): length 7.8
  Bottom w0.2: SW10.2 198.54,114.32 D10.2
Net-(D11-A): length 7.8
  Bottom w0.2: SW11.2 217.59,114.27 D11.2
Net-(D12-A): length 7.8
  Bottom w0.2: SW12.2 236.64,114.22 D12.2
Net-(D13-A): length 8
  Bottom w0.2: D13.2 255.69,115.36 SW13.2
Net-(D14-A): length 8.5
  Bottom w0.2: D14.2 281,115.86 SW14.2
Net-(D15-A): length 7
  Bottom w0.2: SW15.2 18.2,92.66 D15.2
Net-(D16-A): length 7
  Bottom w0.2: SW16.2 37.25,92.61 D16.2
Net-(D17-A): length 7.4
  Bottom w0.2: D17.2 56.3,93.56 SW17.2
Net-(D18-A): length 7.3
  Bottom w0.2: D18.2 75.35,93.51 SW18.2
Net-(D19-A): length 7.3
  Bottom w0.2: SW19.2 94.4,93.46 D19.2
Net-(D20-A): length 7.3
  Bottom w0.2: D20.2 113.45,93.41 SW20.2
Net-(D21-A): length 7.3
  Bottom w0.2: D21.2 132.5,93.36 SW21.2
Net-(D22-A): length 7.2
  Bottom w0.2: D22.2 151.55,93.31 SW22.2
Net-(D23-A): length 7.2
  Bottom w0.2: SW23.2 170.6,93.26 D23.2
Net-(D24-A): length 7.2
  Bottom w0.2: D24.2 189.65,93.21 SW24.2
Net-(D25-A): length 7.2
  Bottom w0.2: SW25.2 208.7,93.16 D25.2
Net-(D26-A): length 7.2
  Bottom w0.2: D26.2 227.75,93.11 SW26.2
Net-(D27-A): length 7.6
  Bottom w0.2: SW27.2 246.8,94.06 D27.2
Net-(D28-A): length 14.2
  Bottom w0.2: D28.2 281.52,95.34 SW28.2
Net-(D29-A): length 7.5
  Bottom w0.2: SW29.2 309.03,93.83 D29.2
Net-(D30-A): length 7.5
  Bottom w0.2: SW30.2 25.24,71.75 D30.2
Net-(D31-A): length 7.3
  Bottom w0.2: SW31.2 42.33,74.53 D31.2
